# KiCad board shimarray.kicad_pcb (continued)
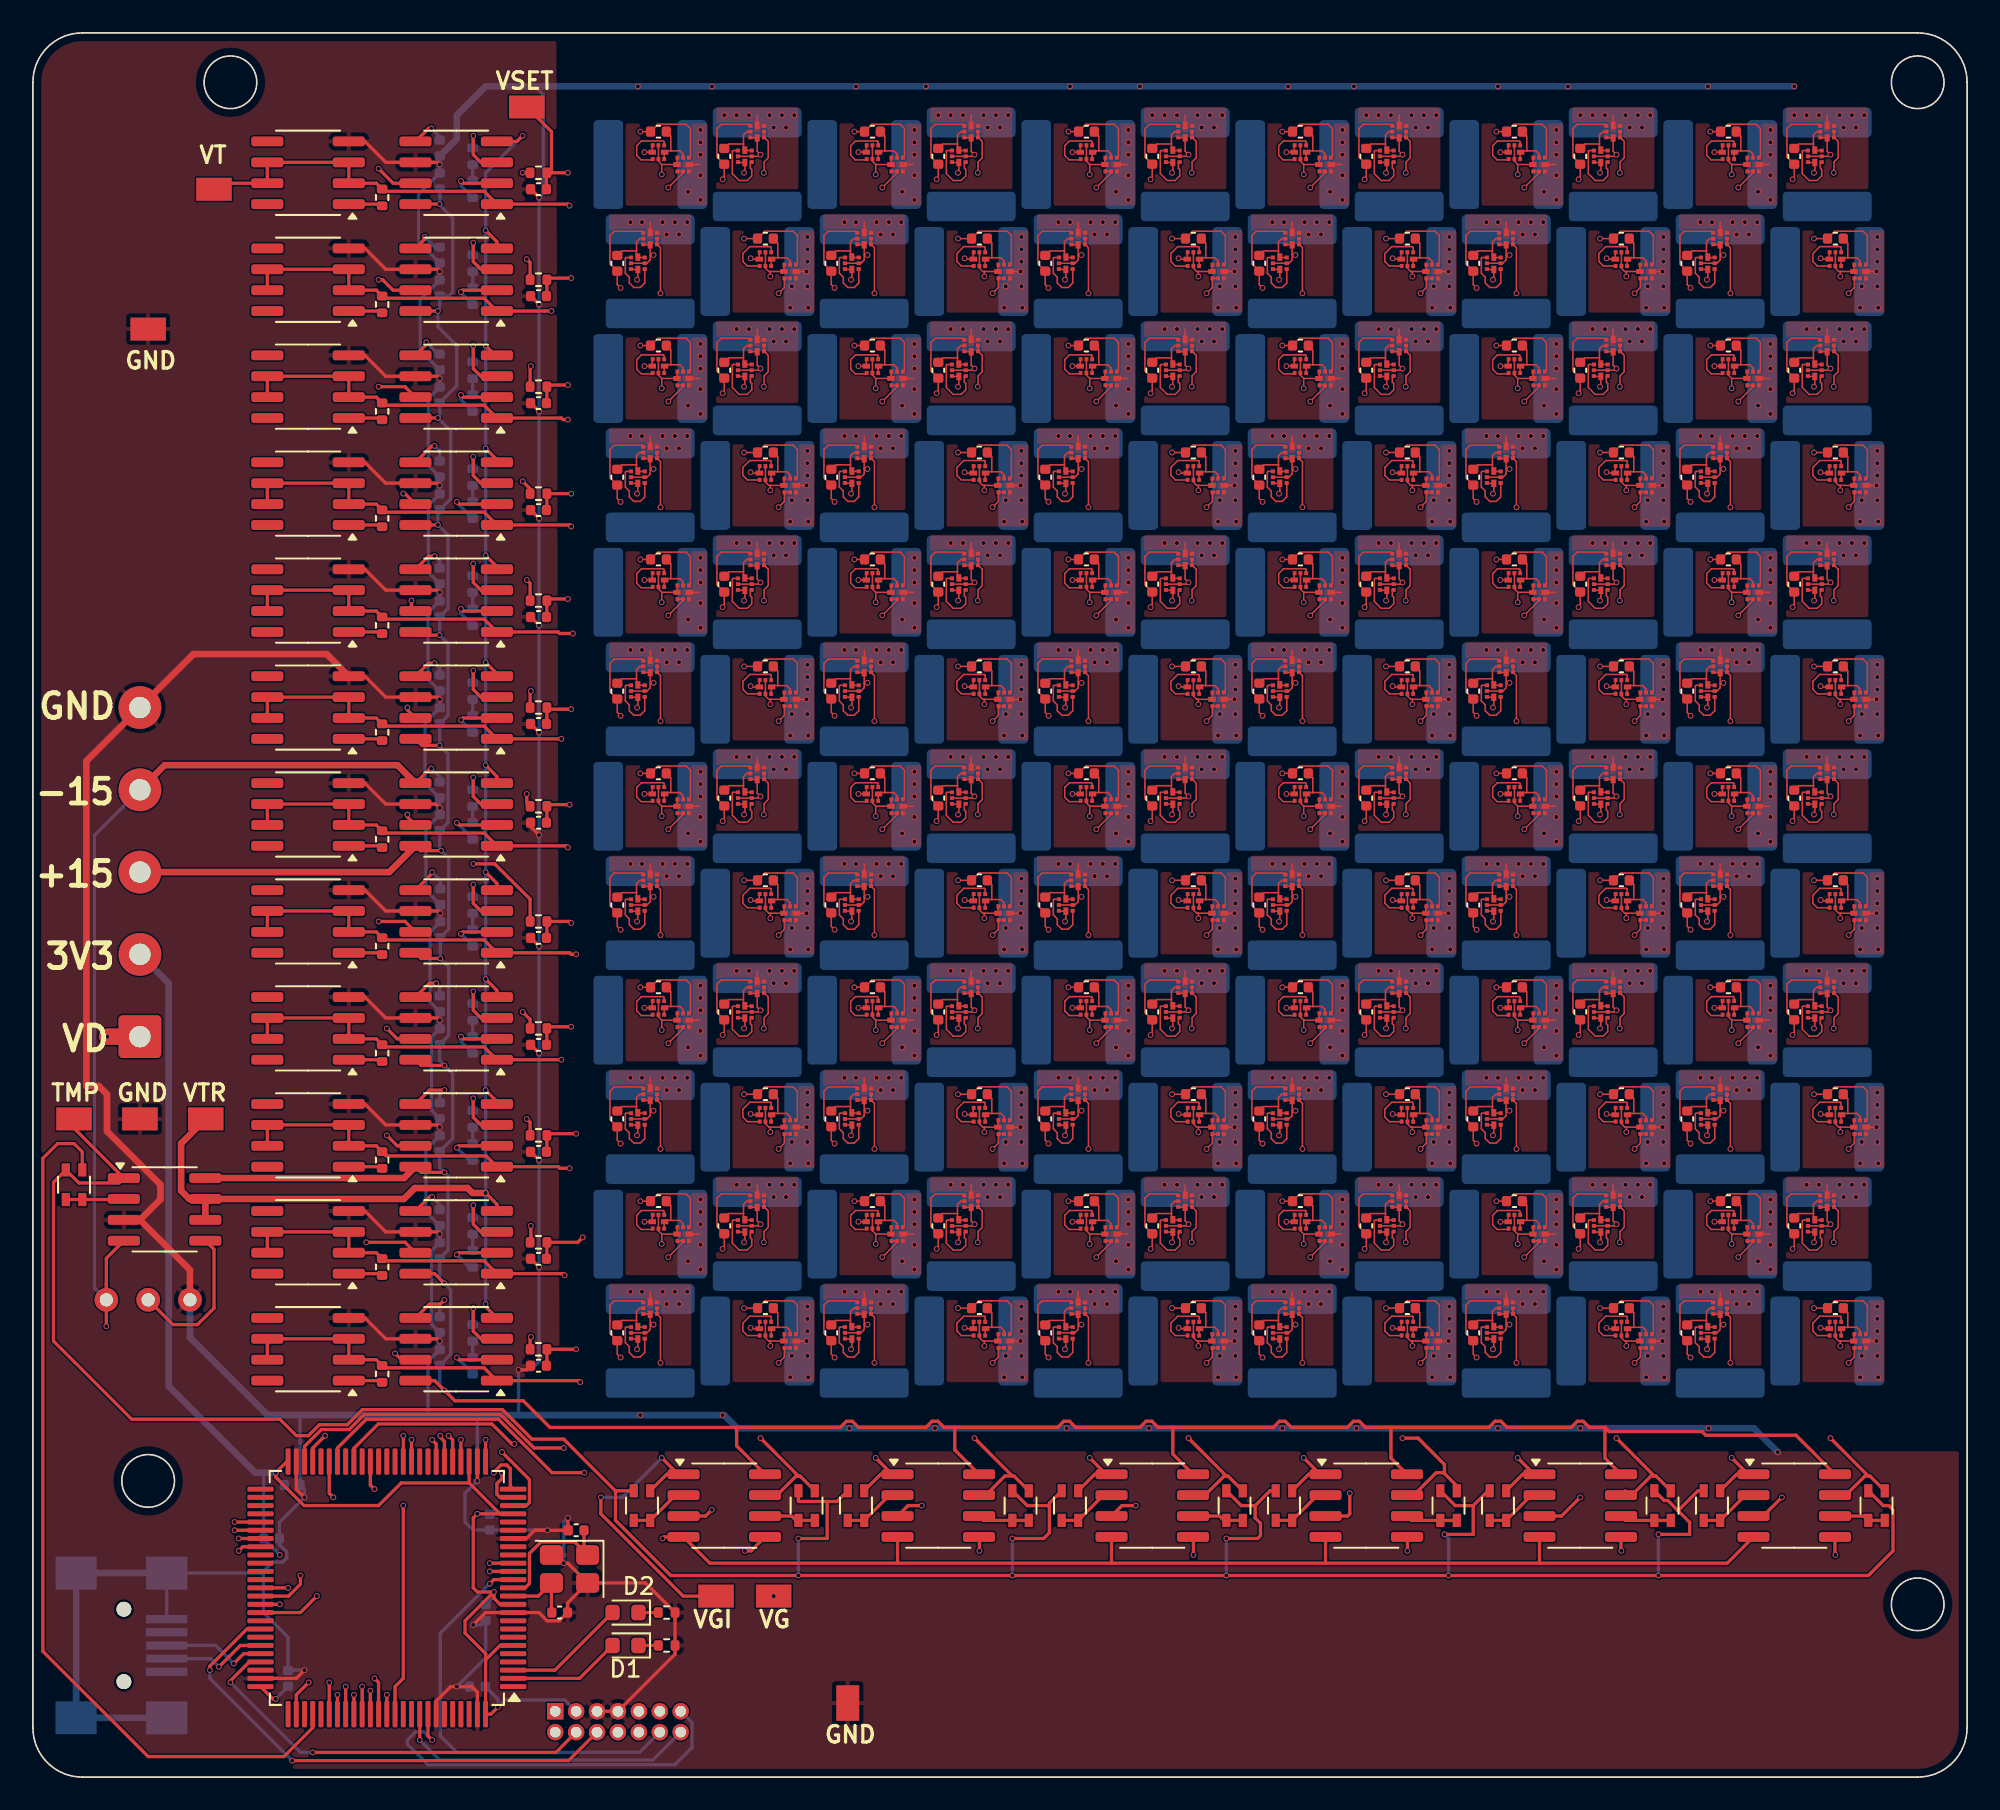
[diagram p0: board, top side]
## Footprints (pads in the part's own frame, mm; a bottom-side part is the same pattern mirrored in y, then rotated) (continued)
USB_Mini-B_Wuerth_65100516121_Horizontal
  round 0.9 hole 0.9 unplated: (-2.2,0) (2.2,0)
  rect 0.5x2.5 smd: 1(-1.6,2.6) 2(-0.8,2.6) 3(0,2.6) 4(0.8,2.6) 5(1.6,2.6)
  rect 2x2.5 smd: 6(-4.4,-2.9) 6(-4.4,2.6) 6(4.4,-2.9) 6(4.4,2.6)
X2-DFN1010-6
  rect 0.23x0.25 smd: 1(-0.35,-0.417) 2(0,-0.417) 3(0.35,0.417) 4(0,0.417) 5(0.35,-0.417) 7(-0.35,0.417)
  rect 0.45x0.3 smd: 6(0.375,0) 8(-0.375,0)

## Nets
+3.3V: C3.1 C4.1 C5.1 C6.1 C7.1 C8.1 J2.3 J4.2 U1.6 U1.11 U1.22 U1.28 U1.50 U1.75 U1.100
+15V: C46.1 C48.1 C50.1 C52.1 C54.1 C56.1 C58.1 C60.1 C62.1 C64.1 C158.1 C160.1 J4.3 U2.8 U3.8 U4.8 U5.8 U6.8 U7.8 U9.8 U11.8 U13.8 U15.8 U17.8 U19.8 U21.8 U23.8 U25.8 U27.8 U28.8 U30.8 U32.8
-15V: C45.1 C47.1 C49.1 C51.1 C53.1 C55.1 C57.1 C59.1 C61.1 C63.1 C157.1 C159.1 J4.4 RV1.3 U2.4 U3.4 U4.4 U5.4 U6.4 U7.4 U9.5 U11.5 U13.5 U15.5 U17.5 U19.5 U21.5 U23.5 U25.5 U27.5 U28.4 U30.5 U32.5
GND: C1.2 C2.2 C3.2 C4.2 C5.2 C6.2 C7.2 C8.2 C9.2 C10.2 C11.2 C12.2 C13.2 C14.2 C15.2 C16.2 C17.2 C18.2 C19.2 C20.2 C21.2 C22.2 C23.2 C24.2 C25.2 C26.2 C27.2 C28.2 C29.2 C30.2 C31.2 C32.2 C33.2 C34.2 C35.2 C36.2 C37.2 C38.2 C39.2 C40.2 C41.2 C42.2 C43.2 C44.2 C45.2 C46.2 C47.2 C48.2 C49.2 C50.2 C51.2 C52.2 C53.2 C54.2 C55.2 C56.2 C57.2 C58.2 C59.2 C60.2 C61.2 C62.2 C63.2 C64.2 C65.2 C66.2 C67.2 C68.2 C69.2 C70.2 C71.2 C72.2 C73.2 C74.2 C75.2 C76.2 C77.2 C78.2 C79.2 C80.2 C81.2 C82.2 C83.2 C84.2 C85.2 C86.2 C87.2 C88.2 C89.2 C90.2 C91.2 C92.2 C93.2 C94.2 C95.2 C96.2 C97.2 C98.2 C99.2 C100.2 C101.2 C102.2 C103.2 C104.2 C105.2 C106.2 C107.2 C108.2 C109.2 C110.2 C111.2 C112.2 C113.2 C114.2 C115.2 C116.2 C117.2 C118.2 C119.2 C120.2 C121.2 C122.2 C123.2 C124.2 C125.2 C126.2 C127.2 C128.2 C129.2 C130.2 C131.2 C132.2 C133.2 C134.2 C135.2 C136.2 C137.2 C138.2 C139.2 C140.2 C141.2 C142.2 C143.2 C144.2 C145.2 C146.2 C147.2 C148.2 C149.2 C150.2 C151.2 C152.2 C153.2 C154.2 C155.2 C156.2 C157.2 C158.2 C159.2 C160.2 C161.2 C162.2 C163.2 C164.2 C165.2 C166.2 C167.2 C168.2 C169.2 C170.2 C171.2 C172.2 C173.2 C174.2 C175.2 C176.2 C177.2 C178.2 C179.2 C180.2 C181.2 C182.2 C183.2 C184.2 C185.2 C186.2 C187.2 C188.2 J2.5 J2.7 J3.5 J3.6 J4.5 Q2.3 Q4.3 Q6.3 Q8.3 Q10.3 Q12.3 Q14.3 Q16.3 Q18.3 Q20.3 Q22.3 Q24.3 Q26.3 Q28.3 Q30.3 Q32.3 Q34.3 Q36.3 Q38.3 Q40.3 Q42.3 Q44.3 Q46.3 Q48.3 Q50.3 Q52.3 Q54.3 Q56.3 Q58.3 Q60.3 Q62.3 Q64.3 Q66.3 Q68.3 Q70.3 Q72.3 Q74.3 Q76.3 Q78.3 Q80.3 Q82.3 Q84.3 Q86.3 Q88.3 Q90.3 Q92.3 Q94.3 Q96.3 Q98.3 Q100.3 Q102.3 Q104.3 Q106.3 Q108.3 Q110.3 Q112.3 Q114.3 Q116.3 Q118.3 Q120.3 Q122.3 Q124.3 Q126.3 Q128.3 Q130.3 Q132.3 Q134.3 Q136.3 Q138.3 Q140.3 Q142.3 Q144.3 Q146.3 Q148.3 Q150.3 Q152.3 Q154.3 Q156.3 Q158.3 Q160.3 Q162.3 Q164.3 Q166.3 Q168.3 Q170.3 Q172.3 Q174.3 Q176.3 Q178.3 Q180.3 Q182.3 Q184.3 Q186.3 Q188.3 Q190.3 Q192.3 Q194.3 Q196.3 Q198.3 Q200.3 Q202.3 Q204.3 Q206.3 Q208.3 Q210.3 Q212.3 Q214.3 Q216.3 Q218.3 Q220.3 Q222.3 Q224.3 Q226.3 Q228.3 Q230.3 Q232.3 Q234.3 Q236.3 Q238.3 Q240.3 Q242.3 Q244.3 Q246.3 Q248.3 Q250.3 Q252.3 Q254.3 Q256.3 Q258.3 Q260.3 Q262.3 Q264.3 Q266.3 Q268.3 Q270.3 Q272.3 Q274.3 Q276.3 Q278.3 Q280.3 Q282.3 Q284.3 Q286.3 Q288.3 R1.2 R2.2 RV1.1 TP7.1 TP8.1 TP9.1 U1.10 U1.19 U1.27 U1.49 U1.74 U1.94 U1.99 U2.3 U8.4 U9.6 U10.4 U11.6 U12.4 U13.6 U14.4 U15.6 U16.4 U17.6 U18.4 U19.6 U20.4 U21.6 U22.4 U23.6 U24.4 U25.6 U26.4 U27.6 U29.4 U30.6 U31.4 U32.6 Y1.2 Y1.4
/Element_4x4/Vd4_1: C9.1 Q1.5 Q1.6 Q3.5 Q3.6 Q9.5 Q9.6 Q15.5 Q15.6 Q21.5 Q21.6 Q23.5 Q23.6 Q29.5 Q29.6 Q31.5 Q31.6 Q37.5 Q37.6 Q39.5 Q39.6 Q41.5 Q41.6 Q47.5 Q47.6 R4.2 TP3.1
/Element_4x4/Vd4_2: C10.1 Q5.5 Q5.6 Q7.5 Q7.6 Q11.5 Q11.6 Q13.5 Q13.6 Q17.5 Q17.6 Q19.5 Q19.6 Q25.5 Q25.6 Q27.5 Q27.6 Q33.5 Q33.6 Q35.5 Q35.6 Q43.5 Q43.6 Q45.5 Q45.6 R3.2
/Element_4x4/Vt4_1: Q2.1 Q2.2 Q4.1 Q4.2 Q10.1 Q10.2 Q16.1 Q16.2 Q22.1 Q22.2 Q24.1 Q24.2 Q30.1 Q30.2 Q32.1 Q32.2 Q38.1 Q38.2 Q40.1 Q40.2 Q42.1 Q42.2 Q48.1 Q48.2 R47.2 TP4.1 U29.2 U29.3 U29.6 U29.7 U30.1
/Element_4x4/Vt4_2: Q6.1 Q6.2 Q8.1 Q8.2 Q12.1 Q12.2 Q14.1 Q14.2 Q18.1 Q18.2 Q20.1 Q20.2 Q26.1 Q26.2 Q28.1 Q28.2 Q34.1 Q34.2 Q36.1 Q36.2 Q44.1 Q44.2 Q46.1 Q46.2 R50.2 U31.2 U31.3 U31.6 U31.7 U32.1
/Element_4x12/Vd4_1: C13.1 Q97.5 Q97.6 Q103.5 Q103.6 Q105.5 Q105.6 Q111.5 Q111.6 Q113.5 Q113.6 Q119.5 Q119.6 Q121.5 Q121.6 Q127.5 Q127.6 Q129.5 Q129.6 Q135.5 Q135.6 Q137.5 Q137.6 Q143.5 Q143.6 R8.2
/Element_4x12/Vd4_2: C14.1 Q99.5 Q99.6 Q101.5 Q101.6 Q107.5 Q107.6 Q109.5 Q109.6 Q115.5 Q115.6 Q117.5 Q117.6 Q123.5 Q123.6 Q125.5 Q125.6 Q131.5 Q131.6 Q133.5 Q133.6 Q139.5 Q139.6 Q141.5 Q141.6 R7.2
/Element_4x12/Vg4_1: Q1.2 Q1.4 Q2.7 Q2.8 Q5.2 Q5.4 Q6.7 Q6.8 Q53.2 Q53.4 Q54.7 Q54.8 Q55.2 Q55.4 Q56.7 Q56.8 Q101.2 Q101.4 Q102.7 Q102.8 Q103.2 Q103.4 Q104.7 Q104.8 Q149.2 Q149.4 Q150.7 Q150.8 Q151.2 Q151.4 Q152.7 Q152.8 Q197.2 Q197.4 Q198.7 Q198.8 Q199.2 Q199.4 Q200.7 Q200.8 Q245.2 Q245.4 Q246.7 Q246.8 Q247.2 Q247.4 Q248.7 Q248.8 RN12.1 TP2.1 U28.1
/Element_4x12/Vg4_2: Q3.2 Q3.4 Q4.7 Q4.8 Q7.2 Q7.4 Q8.7 Q8.8 Q49.2 Q49.4 Q50.7 Q50.8 Q51.2 Q51.4 Q52.7 Q52.8 Q97.2 Q97.4 Q98.7 Q98.8 Q99.2 Q99.4 Q100.7 Q100.8 Q145.2 Q145.4 Q146.7 Q146.8 Q147.2 Q147.4 Q148.7 Q148.8 Q193.2 Q193.4 Q194.7 Q194.8 Q195.2 Q195.4 Q196.7 Q196.8 Q241.2 Q241.4 Q242.7 Q242.8 Q243.2 Q243.4 Q244.7 Q244.8 RN13.1 U28.7
/Element_4x12/Vt4_1: Q98.1 Q98.2 Q104.1 Q104.2 Q106.1 Q106.2 Q112.1 Q112.2 Q114.1 Q114.2 Q120.1 Q120.2 Q122.1 Q122.2 Q128.1 Q128.2 Q130.1 Q130.2 Q136.1 Q136.2 Q138.1 Q138.2 Q144.1 Q144.2 R23.2 U12.2 U12.3 U12.6 U12.7 U13.1
/Element_4x12/Vt4_2: Q100.1 Q100.2 Q102.1 Q102.2 Q108.1 Q108.2 Q110.1 Q110.2 Q116.1 Q116.2 Q118.1 Q118.2 Q124.1 Q124.2 Q126.1 Q126.2 Q132.1 Q132.2 Q134.1 Q134.2 Q140.1 Q140.2 Q142.1 Q142.2 R26.2 U14.2 U14.3 U14.6 U14.7 U15.1
/Element_4x13/Vg4_1: Q13.2 Q13.4 Q14.7 Q14.8 Q39.2 Q39.4 Q40.7 Q40.8 Q61.2 Q61.4 Q62.7 Q62.8 Q63.2 Q63.4 Q64.7 Q64.8 Q109.2 Q109.4 Q110.7 Q110.8 Q111.2 Q111.4 Q112.7 Q112.8 Q157.2 Q157.4 Q158.7 Q158.8 Q159.2 Q159.4 Q160.7 Q160.8 Q205.2 Q205.4 Q206.7 Q206.8 Q207.2 Q207.4 Q208.7 Q208.8 Q253.2 Q253.4 Q254.7 Q254.8 Q255.2 Q255.4 Q256.7 Q256.8 RN2.1 U3.1
/Element_4x13/Vg4_2: Q9.2 Q9.4 Q10.7 Q10.8 Q11.2 Q11.4 Q12.7 Q12.8 Q57.2 Q57.4 Q58.7 Q58.8 Q59.2 Q59.4 Q60.7 Q60.8 Q105.2 Q105.4 Q106.7 Q106.8 Q107.2 Q107.4 Q108.7 Q108.8 Q153.2 Q153.4 Q154.7 Q154.8 Q155.2 Q155.4 Q156.7 Q156.8 Q201.2 Q201.4 Q202.7 Q202.8 Q203.2 Q203.4 Q204.7 Q204.8 Q249.2 Q249.4 Q250.7 Q250.8 Q251.2 Q251.4 Q252.7 Q252.8 RN3.1 U3.7
/Element_4x14/Vg4_1: Q19.2 Q19.4 Q20.7 Q20.8 Q21.2 Q21.4 Q22.7 Q22.8 Q69.2 Q69.4 Q70.7 Q70.8 Q71.2 Q71.4 Q72.7 Q72.8 Q117.2 Q117.4 Q118.7 Q118.8 Q119.2 Q119.4 Q120.7 Q120.8 Q165.2 Q165.4 Q166.7 Q166.8 Q167.2 Q167.4 Q168.7 Q168.8 Q213.2 Q213.4 Q214.7 Q214.8 Q215.2 Q215.4 Q216.7 Q216.8 Q261.2 Q261.4 Q262.7 Q262.8 Q263.2 Q263.4 Q264.7 Q264.8 RN4.1 U4.1
/Element_4x14/Vg4_2: Q15.2 Q15.4 Q16.7 Q16.8 Q17.2 Q17.4 Q18.7 Q18.8 Q65.2 Q65.4 Q66.7 Q66.8 Q67.2 Q67.4 Q68.7 Q68.8 Q113.2 Q113.4 Q114.7 Q114.8 Q115.2 Q115.4 Q116.7 Q116.8 Q161.2 Q161.4 Q162.7 Q162.8 Q163.2 Q163.4 Q164.7 Q164.8 Q209.2 Q209.4 Q210.7 Q210.8 Q211.2 Q211.4 Q212.7 Q212.8 Q257.2 Q257.4 Q258.7 Q258.8 Q259.2 Q259.4 Q260.7 Q260.8 RN5.1 U4.7
/Element_4x15/Vg4_1: Q27.2 Q27.4 Q28.7 Q28.8 Q29.2 Q29.4 Q30.7 Q30.8 Q77.2 Q77.4 Q78.7 Q78.8 Q79.2 Q79.4 Q80.7 Q80.8 Q125.2 Q125.4 Q126.7 Q126.8 Q127.2 Q127.4 Q128.7 Q128.8 Q173.2 Q173.4 Q174.7 Q174.8 Q175.2 Q175.4 Q176.7 Q176.8 Q221.2 Q221.4 Q222.7 Q222.8 Q223.2 Q223.4 Q224.7 Q224.8 Q269.2 Q269.4 Q270.7 Q270.8 Q271.2 Q271.4 Q272.7 Q272.8 RN6.1 U5.1
/Element_4x15/Vg4_2: Q23.2 Q23.4 Q24.7 Q24.8 Q25.2 Q25.4 Q26.7 Q26.8 Q73.2 Q73.4 Q74.7 Q74.8 Q75.2 Q75.4 Q76.7 Q76.8 Q121.2 Q121.4 Q122.7 Q122.8 Q123.2 Q123.4 Q124.7 Q124.8 Q169.2 Q169.4 Q170.7 Q170.8 Q171.2 Q171.4 Q172.7 Q172.8 Q217.2 Q217.4 Q218.7 Q218.8 Q219.2 Q219.4 Q220.7 Q220.8 Q265.2 Q265.4 Q266.7 Q266.8 Q267.2 Q267.4 Q268.7 Q268.8 RN7.1 U5.7
/Element_4x16/Vg4_1: Q35.2 Q35.4 Q36.7 Q36.8 Q37.2 Q37.4 Q38.7 Q38.8 Q85.2 Q85.4 Q86.7 Q86.8 Q87.2 Q87.4 Q88.7 Q88.8 Q133.2 Q133.4 Q134.7 Q134.8 Q135.2 Q135.4 Q136.7 Q136.8 Q181.2 Q181.4 Q182.7 Q182.8 Q183.2 Q183.4 Q184.7 Q184.8 Q229.2 Q229.4 Q230.7 Q230.8 Q231.2 Q231.4 Q232.7 Q232.8 Q277.2 Q277.4 Q278.7 Q278.8 Q279.2 Q279.4 Q280.7 Q280.8 RN8.1 U6.1
/Element_4x16/Vg4_2: Q31.2 Q31.4 Q32.7 Q32.8 Q33.2 Q33.4 Q34.7 Q34.8 Q81.2 Q81.4 Q82.7 Q82.8 Q83.2 Q83.4 Q84.7 Q84.8 Q129.2 Q129.4 Q130.7 Q130.8 Q131.2 Q131.4 Q132.7 Q132.8 Q177.2 Q177.4 Q178.7 Q178.8 Q179.2 Q179.4 Q180.7 Q180.8 Q225.2 Q225.4 Q226.7 Q226.8 Q227.2 Q227.4 Q228.7 Q228.8 Q273.2 Q273.4 Q274.7 Q274.8 Q275.2 Q275.4 Q276.7 Q276.8 RN9.1 U6.7
/Element_4x17/Vg4_1: Q45.2 Q45.4 Q46.7 Q46.8 Q47.2 Q47.4 Q48.7 Q48.8 Q93.2 Q93.4 Q94.7 Q94.8 Q95.2 Q95.4 Q96.7 Q96.8 Q141.2 Q141.4 Q142.7 Q142.8 Q143.2 Q143.4 Q144.7 Q144.8 Q189.2 Q189.4 Q190.7 Q190.8 Q191.2 Q191.4 Q192.7 Q192.8 Q237.2 Q237.4 Q238.7 Q238.8 Q239.2 Q239.4 Q240.7 Q240.8 Q285.2 Q285.4 Q286.7 Q286.8 Q287.2 Q287.4 Q288.7 Q288.8 RN10.1 U7.1
/Element_4x17/Vg4_2: Q41.2 Q41.4 Q42.7 Q42.8 Q43.2 Q43.4 Q44.7 Q44.8 Q89.2 Q89.4 Q90.7 Q90.8 Q91.2 Q91.4 Q92.7 Q92.8 Q137.2 Q137.4 Q138.7 Q138.8 Q139.2 Q139.4 Q140.7 Q140.8 Q185.2 Q185.4 Q186.7 Q186.8 Q187.2 Q187.4 Q188.7 Q188.8 Q233.2 Q233.4 Q234.7 Q234.8 Q235.2 Q235.4 Q236.7 Q236.8 Q281.2 Q281.4 Q282.7 Q282.8 Q283.2 Q283.4 Q284.7 Q284.8 RN11.1 U7.7
/Element_4x20/Vd4_1: C11.1 Q49.5 Q49.6 Q55.5 Q55.6 Q57.5 Q57.6 Q63.5 Q63.6 Q65.5 Q65.6 Q71.5 Q71.6 Q73.5 Q73.6 Q79.5 Q79.6 Q81.5 Q81.6 Q87.5 Q87.6 Q89.5 Q89.6 Q95.5 Q95.6 R6.2
/Element_4x20/Vd4_2: C12.1 Q51.5 Q51.6 Q53.5 Q53.6 Q59.5 Q59.6 Q61.5 Q61.6 Q67.5 Q67.6 Q69.5 Q69.6 Q75.5 Q75.6 Q77.5 Q77.6 Q83.5 Q83.6 Q85.5 Q85.6 Q91.5 Q91.6 Q93.5 Q93.6 R5.2
/Element_4x20/Vt4_1: Q50.1 Q50.2 Q56.1 Q56.2 Q58.1 Q58.2 Q64.1 Q64.2 Q66.1 Q66.2 Q72.1 Q72.2 Q74.1 Q74.2 Q80.1 Q80.2 Q82.1 Q82.2 Q88.1 Q88.2 Q90.1 Q90.2 Q96.1 Q96.2 R17.2 U8.2 U8.3 U8.6 U8.7 U9.1
/Element_4x20/Vt4_2: Q52.1 Q52.2 Q54.1 Q54.2 Q60.1 Q60.2 Q62.1 Q62.2 Q68.1 Q68.2 Q70.1 Q70.2 Q76.1 Q76.2 Q78.1 Q78.2 Q84.1 Q84.2 Q86.1 Q86.2 Q92.1 Q92.2 Q94.1 Q94.2 R20.2 U10.2 U10.3 U10.6 U10.7 U11.1
/Element_4x28/Vd4_1: C15.1 Q145.5 Q145.6 Q151.5 Q151.6 Q153.5 Q153.6 Q159.5 Q159.6 Q161.5 Q161.6 Q167.5 Q167.6 Q169.5 Q169.6 Q175.5 Q175.6 Q177.5 Q177.6 Q183.5 Q183.6 Q185.5 Q185.6 Q191.5 Q191.6 R10.2
/Element_4x28/Vd4_2: C16.1 Q147.5 Q147.6 Q149.5 Q149.6 Q155.5 Q155.6 Q157.5 Q157.6 Q163.5 Q163.6 Q165.5 Q165.6 Q171.5 Q171.6 Q173.5 Q173.6 Q179.5 Q179.6 Q181.5 Q181.6 Q187.5 Q187.6 Q189.5 Q189.6 R9.2
/Element_4x28/Vt4_1: Q146.1 Q146.2 Q152.1 Q152.2 Q154.1 Q154.2 Q160.1 Q160.2 Q162.1 Q162.2 Q168.1 Q168.2 Q170.1 Q170.2 Q176.1 Q176.2 Q178.1 Q178.2 Q184.1 Q184.2 Q186.1 Q186.2 Q192.1 Q192.2 R29.2 U16.2 U16.3 U16.6 U16.7 U17.1
/Element_4x28/Vt4_2: Q148.1 Q148.2 Q150.1 Q150.2 Q156.1 Q156.2 Q158.1 Q158.2 Q164.1 Q164.2 Q166.1 Q166.2 Q172.1 Q172.2 Q174.1 Q174.2 Q180.1 Q180.2 Q182.1 Q182.2 Q188.1 Q188.2 Q190.1 Q190.2 R32.2 U18.2 U18.3 U18.6 U18.7 U19.1
/Element_4x36/Vd4_1: C17.1 Q193.5 Q193.6 Q199.5 Q199.6 Q201.5 Q201.6 Q207.5 Q207.6 Q209.5 Q209.6 Q215.5 Q215.6 Q217.5 Q217.6 Q223.5 Q223.6 Q225.5 Q225.6 Q231.5 Q231.6 Q233.5 Q233.6 Q239.5 Q239.6 R12.2
/Element_4x36/Vd4_2: C18.1 Q195.5 Q195.6 Q197.5 Q197.6 Q203.5 Q203.6 Q205.5 Q205.6 Q211.5 Q211.6 Q213.5 Q213.6 Q219.5 Q219.6 Q221.5 Q221.6 Q227.5 Q227.6 Q229.5 Q229.6 Q235.5 Q235.6 Q237.5 Q237.6 R11.2
/Element_4x36/Vt4_1: Q194.1 Q194.2 Q200.1 Q200.2 Q202.1 Q202.2 Q208.1 Q208.2 Q210.1 Q210.2 Q216.1 Q216.2 Q218.1 Q218.2 Q224.1 Q224.2 Q226.1 Q226.2 Q232.1 Q232.2 Q234.1 Q234.2 Q240.1 Q240.2 R35.2 U20.2 U20.3 U20.6 U20.7 U21.1
/Element_4x36/Vt4_2: Q196.1 Q196.2 Q198.1 Q198.2 Q204.1 Q204.2 Q206.1 Q206.2 Q212.1 Q212.2 Q214.1 Q214.2 Q220.1 Q220.2 Q222.1 Q222.2 Q228.1 Q228.2 Q230.1 Q230.2 Q236.1 Q236.2 Q238.1 Q238.2 R38.2 U22.2 U22.3 U22.6 U22.7 U23.1
/Element_4x44/Vd4_1: C19.1 Q241.5 Q241.6 Q247.5 Q247.6 Q249.5 Q249.6 Q255.5 Q255.6 Q257.5 Q257.6 Q263.5 Q263.6 Q265.5 Q265.6 Q271.5 Q271.6 Q273.5 Q273.6 Q279.5 Q279.6 Q281.5 Q281.6 Q287.5 Q287.6 R14.2
/Element_4x44/Vd4_2: C20.1 Q243.5 Q243.6 Q245.5 Q245.6 Q251.5 Q251.6 Q253.5 Q253.6 Q259.5 Q259.6 Q261.5 Q261.6 Q267.5 Q267.6 Q269.5 Q269.6 Q275.5 Q275.6 Q277.5 Q277.6 Q283.5 Q283.6 Q285.5 Q285.6 R13.2
/Element_4x44/Vt4_1: Q242.1 Q242.2 Q248.1 Q248.2 Q250.1 Q250.2 Q256.1 Q256.2 Q258.1 Q258.2 Q264.1 Q264.2 Q266.1 Q266.2 Q272.1 Q272.2 Q274.1 Q274.2 Q280.1 Q280.2 Q282.1 Q282.2 Q288.1 Q288.2 R41.2 U24.2 U24.3 U24.6 U24.7 U25.1
/Element_4x44/Vt4_2: Q244.1 Q244.2 Q246.1 Q246.2 Q252.1 Q252.2 Q254.1 Q254.2 Q260.1 Q260.2 Q262.1 Q262.2 Q268.1 Q268.2 Q270.1 Q270.2 Q276.1 Q276.2 Q278.1 Q278.2 Q284.1 Q284.2 Q286.1 Q286.2 R44.2 U26.2 U26.3 U26.6 U26.7 U27.1
/Gate driver/TMP: RN1.4 RN2.2 RN3.2 RN4.2 RN5.2 RN6.2 RN7.2 RN8.2 RN9.2 RN10.2 RN11.2 RN12.2 RN13.2 TP5.1 U2.1
/RX: J2.13 U1.93
/SWCLK: J2.6 U1.68
/SWDIO: J2.4 U1.72
/TMP1: U1.23 U30.7
/TMP2: U1.24 U32.7
/TMP3: U1.25 U9.7
/TMP4: U1.26 U11.7
/TMP5: U1.29 U13.7
/TMP6: U1.30 U15.7
/TMP7: U1.31 U17.7
/TMP8: U1.32 U19.7
/TMP9: U1.35 U21.7
/TMP10: U1.36 U23.7
/TMP11: U1.15 U25.7
/TMP12: U1.16 U27.7
/TMP_SEL: RN1.3 U1.79
/TX: J2.14 U1.92
/VD1: R3.1 U1.40
/VD2: R4.1 U1.42
/VD3: R5.1 U1.44
/VD4: R6.1 U1.45
/VD5: R7.1 U1.77
/VD6: R8.1 U1.89
/VD7: R9.1 U1.47
/VD8: R10.1 U1.48
/VD9: R11.1 U1.63
/VD10: R12.1 U1.64
/VD11: R13.1 U1.65
/VD12: R14.1 U1.66
/VG1: TP1.1 U1.81 U28.3
/VG2: U1.82 U28.5
/VG3: U1.83 U3.3
/VG4: U1.84 U3.5
/VG5: U1.85 U4.3
/VG6: U1.86 U4.5
/VG7: U1.87 U5.3
/VG8: U1.88 U5.5
/VG9: U1.55 U6.3
/VG10: U1.56 U6.5
/VG11: U1.57 U7.3
/VG12: U1.58 U7.5
/VT_REF: TP6.1 U2.6 U2.7 U9.4 U11.4 U13.4 U15.4 U17.4 U19.4 U21.4 U23.4 U25.4 U27.4 U30.4 U32.4
/~{RST}: J2.12 U1.14
VD: FB1.1 FB2.1 FB3.1 FB4.1 FB5.1 FB6.1 FB7.1 FB8.1 FB9.1 FB10.1 FB11.1 FB12.1 FB13.1 FB14.1 FB15.1 FB16.1 FB17.1 FB18.1 FB19.1 FB20.1 FB21.1 FB22.1 FB23.1 FB24.1 FB25.1 FB26.1 FB27.1 FB28.1 FB29.1 FB30.1 FB31.1 FB32.1 FB33.1 FB34.1 FB35.1 FB36.1 FB37.1 FB38.1 FB39.1 FB40.1 FB41.1 FB42.1 FB43.1 FB44.1 FB45.1 FB46.1 FB47.1 FB48.1 FB49.1 FB50.1 FB51.1 FB52.1 FB53.1 FB54.1 FB55.1 FB56.1 FB57.1 FB58.1 FB59.1 FB60.1 FB61.1 FB62.1 FB63.1 FB64.1 FB65.1 FB66.1 FB67.1 FB68.1 FB69.1 FB70.1 FB71.1 FB72.1 FB73.1 FB74.1 FB75.1 FB76.1 FB77.1 FB78.1 FB79.1 FB80.1 FB81.1 FB82.1 FB83.1 FB84.1 FB85.1 FB86.1 FB87.1 FB88.1 FB89.1 FB90.1 FB91.1 FB92.1 FB93.1 FB94.1 FB95.1 FB96.1 FB97.1 FB98.1 FB99.1 FB100.1 FB101.1 FB102.1 FB103.1 FB104.1 FB105.1 FB106.1 FB107.1 FB108.1 FB109.1 FB110.1 FB111.1 FB112.1 FB113.1 FB114.1 FB115.1 FB116.1 FB117.1 FB118.1 FB119.1 FB120.1 FB121.1 FB122.1 FB123.1 FB124.1 FB125.1 FB126.1 FB127.1 FB128.1 FB129.1 FB130.1 FB131.1 FB132.1 FB133.1 FB134.1 FB135.1 FB136.1 FB137.1 FB138.1 FB139.1 FB140.1 FB141.1 FB142.1 FB143.1 FB144.1 J4.1 Q2.5 Q2.6 Q4.5 Q4.6 Q6.5 Q6.6 Q8.5 Q8.6 Q10.5 Q10.6 Q12.5 Q12.6 Q14.5 Q14.6 Q16.5 Q16.6 Q18.5 Q18.6 Q20.5 Q20.6 Q22.5 Q22.6 Q24.5 Q24.6 Q26.5 Q26.6 Q28.5 Q28.6 Q30.5 Q30.6 Q32.5 Q32.6 Q34.5 Q34.6 Q36.5 Q36.6 Q38.5 Q38.6 Q40.5 Q40.6 Q42.5 Q42.6 Q44.5 Q44.6 Q46.5 Q46.6 Q48.5 Q48.6 Q50.5 Q50.6 Q52.5 Q52.6 Q54.5 Q54.6 Q56.5 Q56.6 Q58.5 Q58.6 Q60.5 Q60.6 Q62.5 Q62.6 Q64.5 Q64.6 Q66.5 Q66.6 Q68.5 Q68.6 Q70.5 Q70.6 Q72.5 Q72.6 Q74.5 Q74.6 Q76.5 Q76.6 Q78.5 Q78.6 Q80.5 Q80.6 Q82.5 Q82.6 Q84.5 Q84.6 Q86.5 Q86.6 Q88.5 Q88.6 Q90.5 Q90.6 Q92.5 Q92.6 Q94.5 Q94.6 Q96.5 Q96.6 Q98.5 Q98.6 Q100.5 Q100.6 Q102.5 Q102.6 Q104.5 Q104.6 Q106.5 Q106.6 Q108.5 Q108.6 Q110.5 Q110.6 Q112.5 Q112.6 Q114.5 Q114.6 Q116.5 Q116.6 Q118.5 Q118.6 Q120.5 Q120.6 Q122.5 Q122.6 Q124.5 Q124.6 Q126.5 Q126.6 Q128.5 Q128.6 Q130.5 Q130.6 Q132.5 Q132.6 Q134.5 Q134.6 Q136.5 Q136.6 Q138.5 Q138.6 Q140.5 Q140.6 Q142.5 Q142.6 Q144.5 Q144.6 Q146.5 Q146.6 Q148.5 Q148.6 Q150.5 Q150.6 Q152.5 Q152.6 Q154.5 Q154.6 Q156.5 Q156.6 Q158.5 Q158.6 Q160.5 Q160.6 Q162.5 Q162.6 Q164.5 Q164.6 Q166.5 Q166.6 Q168.5 Q168.6 Q170.5 Q170.6 Q172.5 Q172.6 Q174.5 Q174.6 Q176.5 Q176.6 Q178.5 Q178.6 Q180.5 Q180.6 Q182.5 Q182.6 Q184.5 Q184.6 Q186.5 Q186.6 Q188.5 Q188.6 Q190.5 Q190.6 Q192.5 Q192.6 Q194.5 Q194.6 Q196.5 Q196.6 Q198.5 Q198.6 Q200.5 Q200.6 Q202.5 Q202.6 Q204.5 Q204.6 Q206.5 Q206.6 Q208.5 Q208.6 Q210.5 Q210.6 Q212.5 Q212.6 Q214.5 Q214.6 Q216.5 Q216.6 Q218.5 Q218.6 Q220.5 Q220.6 Q222.5 Q222.6 Q224.5 Q224.6 Q226.5 Q226.6 Q228.5 Q228.6 Q230.5 Q230.6 Q232.5 Q232.6 Q234.5 Q234.6 Q236.5 Q236.6 Q238.5 Q238.6 Q240.5 Q240.6 Q242.5 Q242.6 Q244.5 Q244.6 Q246.5 Q246.6 Q248.5 Q248.6 Q250.5 Q250.6 Q252.5 Q252.6 Q254.5 Q254.6 Q256.5 Q256.6 Q258.5 Q258.6 Q260.5 Q260.6 Q262.5 Q262.6 Q264.5 Q264.6 Q266.5 Q266.6 Q268.5 Q268.6 Q270.5 Q270.6 Q272.5 Q272.6 Q274.5 Q274.6 Q276.5 Q276.6 Q278.5 Q278.6 Q280.5 Q280.6 Q282.5 Q282.6 Q284.5 Q284.6 Q286.5 Q286.6 Q288.5 Q288.6
Net-(D1-A): D1.2 U1.2
Net-(D1-K): D1.1 R1.1
Net-(D2-A): D2.2 U1.3
Net-(D2-K): D2.1 R2.1
Net-(J3-D+): J3.3 U1.71
Net-(J3-D-): J3.2 U1.70
Net-(Q1A-S): Q1.1 Q1.3
Net-(Q2B-G): C21.1 Q1.7 Q1.8 Q2.4
Net-(Q3A-S): Q3.1 Q3.3
Net-(Q4B-G): C22.1 Q3.7 Q3.8 Q4.4
Net-(Q5A-S): Q5.1 Q5.3
Net-(Q6B-G): C23.1 Q5.7 Q5.8 Q6.4
Net-(Q7A-S): Q7.1 Q7.3
Net-(Q8B-G): C24.1 Q7.7 Q7.8 Q8.4
Net-(Q9A-S): Q9.1 Q9.3
Net-(Q10B-G): C25.1 Q9.7 Q9.8 Q10.4
Net-(Q11A-S): Q11.1 Q11.3
Net-(Q12B-G): C26.1 Q11.7 Q11.8 Q12.4
Net-(Q13A-S): Q13.1 Q13.3
Net-(Q14B-G): C27.1 Q13.7 Q13.8 Q14.4
Net-(Q15A-S): Q15.1 Q15.3
Net-(Q16B-G): C28.1 Q15.7 Q15.8 Q16.4
Net-(Q17A-S): Q17.1 Q17.3
Net-(Q18B-G): C29.1 Q17.7 Q17.8 Q18.4
Net-(Q19A-S): Q19.1 Q19.3
Net-(Q20B-G): C30.1 Q19.7 Q19.8 Q20.4
Net-(Q21A-S): Q21.1 Q21.3
Net-(Q22B-G): C31.1 Q21.7 Q21.8 Q22.4
Net-(Q23A-S): Q23.1 Q23.3
Net-(Q24B-G): C32.1 Q23.7 Q23.8 Q24.4
Net-(Q25A-S): Q25.1 Q25.3
Net-(Q26B-G): C33.1 Q25.7 Q25.8 Q26.4
Net-(Q27A-S): Q27.1 Q27.3
Net-(Q28B-G): C34.1 Q27.7 Q27.8 Q28.4
Net-(Q29A-S): Q29.1 Q29.3
Net-(Q30B-G): C35.1 Q29.7 Q29.8 Q30.4
Net-(Q31A-S): Q31.1 Q31.3
Net-(Q32B-G): C36.1 Q31.7 Q31.8 Q32.4
Net-(Q33A-S): Q33.1 Q33.3
Net-(Q34B-G): C37.1 Q33.7 Q33.8 Q34.4
Net-(Q35A-S): Q35.1 Q35.3
Net-(Q36B-G): C38.1 Q35.7 Q35.8 Q36.4
Net-(Q37A-S): Q37.1 Q37.3
Net-(Q38B-G): C39.1 Q37.7 Q37.8 Q38.4
Net-(Q39A-S): Q39.1 Q39.3
Net-(Q40B-G): C40.1 Q39.7 Q39.8 Q40.4
Net-(Q41A-S): Q41.1 Q41.3
Net-(Q42B-G): C41.1 Q41.7 Q41.8 Q42.4
Net-(Q43A-S): Q43.1 Q43.3
Net-(Q44B-G): C42.1 Q43.7 Q43.8 Q44.4
Net-(Q45A-S): Q45.1 Q45.3
Net-(Q46B-G): C43.1 Q45.7 Q45.8 Q46.4
Net-(Q47A-S): Q47.1 Q47.3
Net-(Q48B-G): C44.1 Q47.7 Q47.8 Q48.4
Net-(Q49A-S): Q49.1 Q49.3
Net-(Q50B-G): C65.1 Q49.7 Q49.8 Q50.4
Net-(Q51A-S): Q51.1 Q51.3
Net-(Q52B-G): C66.1 Q51.7 Q51.8 Q52.4
Net-(Q53A-S): Q53.1 Q53.3
Net-(Q54B-G): C67.1 Q53.7 Q53.8 Q54.4
Net-(Q55A-S): Q55.1 Q55.3
Net-(Q56B-G): C68.1 Q55.7 Q55.8 Q56.4
Net-(Q57A-S): Q57.1 Q57.3
Net-(Q58B-G): C69.1 Q57.7 Q57.8 Q58.4
Net-(Q59A-S): Q59.1 Q59.3
Net-(Q60B-G): C70.1 Q59.7 Q59.8 Q60.4
Net-(Q61A-S): Q61.1 Q61.3
Net-(Q62B-G): C71.1 Q61.7 Q61.8 Q62.4
Net-(Q63A-S): Q63.1 Q63.3
Net-(Q64B-G): C72.1 Q63.7 Q63.8 Q64.4
Net-(Q65A-S): Q65.1 Q65.3
Net-(Q66B-G): C73.1 Q65.7 Q65.8 Q66.4
Net-(Q67A-S): Q67.1 Q67.3
Net-(Q68B-G): C74.1 Q67.7 Q67.8 Q68.4
Net-(Q69A-S): Q69.1 Q69.3
Net-(Q70B-G): C75.1 Q69.7 Q69.8 Q70.4
Net-(Q71A-S): Q71.1 Q71.3
Net-(Q72B-G): C76.1 Q71.7 Q71.8 Q72.4
Net-(Q73A-S): Q73.1 Q73.3
Net-(Q74B-G): C77.1 Q73.7 Q73.8 Q74.4
Net-(Q75A-S): Q75.1 Q75.3
Net-(Q76B-G): C78.1 Q75.7 Q75.8 Q76.4
Net-(Q77A-S): Q77.1 Q77.3
Net-(Q78B-G): C79.1 Q77.7 Q77.8 Q78.4
Net-(Q79A-S): Q79.1 Q79.3
Net-(Q80B-G): C80.1 Q79.7 Q79.8 Q80.4
Net-(Q81A-S): Q81.1 Q81.3
Net-(Q82B-G): C81.1 Q81.7 Q81.8 Q82.4
Net-(Q83A-S): Q83.1 Q83.3
Net-(Q84B-G): C82.1 Q83.7 Q83.8 Q84.4
Net-(Q85A-S): Q85.1 Q85.3
Net-(Q86B-G): C83.1 Q85.7 Q85.8 Q86.4
Net-(Q87A-S): Q87.1 Q87.3
Net-(Q88B-G): C84.1 Q87.7 Q87.8 Q88.4
Net-(Q89A-S): Q89.1 Q89.3
Net-(Q90B-G): C85.1 Q89.7 Q89.8 Q90.4
Net-(Q91A-S): Q91.1 Q91.3
Net-(Q92B-G): C86.1 Q91.7 Q91.8 Q92.4
Net-(Q93A-S): Q93.1 Q93.3
Net-(Q94B-G): C87.1 Q93.7 Q93.8 Q94.4
Net-(Q95A-S): Q95.1 Q95.3
Net-(Q96B-G): C88.1 Q95.7 Q95.8 Q96.4
Net-(Q97A-S): Q97.1 Q97.3
Net-(Q98B-G): C89.1 Q97.7 Q97.8 Q98.4
Net-(Q99A-S): Q99.1 Q99.3
Net-(Q100B-G): C90.1 Q99.7 Q99.8 Q100.4
Net-(Q101A-S): Q101.1 Q101.3
Net-(Q102B-G): C91.1 Q101.7 Q101.8 Q102.4
Net-(Q103A-S): Q103.1 Q103.3
Net-(Q104B-G): C92.1 Q103.7 Q103.8 Q104.4
Net-(Q105A-S): Q105.1 Q105.3
Net-(Q106B-G): C93.1 Q105.7 Q105.8 Q106.4
Net-(Q107A-S): Q107.1 Q107.3
Net-(Q108B-G): C94.1 Q107.7 Q107.8 Q108.4
Net-(Q109A-S): Q109.1 Q109.3
Net-(Q110B-G): C95.1 Q109.7 Q109.8 Q110.4
Net-(Q111A-S): Q111.1 Q111.3
Net-(Q112B-G): C96.1 Q111.7 Q111.8 Q112.4
Net-(Q113A-S): Q113.1 Q113.3
Net-(Q114B-G): C97.1 Q113.7 Q113.8 Q114.4
Net-(Q115A-S): Q115.1 Q115.3
Net-(Q116B-G): C98.1 Q115.7 Q115.8 Q116.4
Net-(Q117A-S): Q117.1 Q117.3
Net-(Q118B-G): C99.1 Q117.7 Q117.8 Q118.4
Net-(Q119A-S): Q119.1 Q119.3
Net-(Q120B-G): C100.1 Q119.7 Q119.8 Q120.4
Net-(Q121A-S): Q121.1 Q121.3
Net-(Q122B-G): C101.1 Q121.7 Q121.8 Q122.4
Net-(Q123A-S): Q123.1 Q123.3
Net-(Q124B-G): C102.1 Q123.7 Q123.8 Q124.4
Net-(Q125A-S): Q125.1 Q125.3
Net-(Q126B-G): C103.1 Q125.7 Q125.8 Q126.4
Net-(Q127A-S): Q127.1 Q127.3
Net-(Q128B-G): C104.1 Q127.7 Q127.8 Q128.4
Net-(Q129A-S): Q129.1 Q129.3
Net-(Q130B-G): C105.1 Q129.7 Q129.8 Q130.4
Net-(Q131A-S): Q131.1 Q131.3
Net-(Q132B-G): C106.1 Q131.7 Q131.8 Q132.4
Net-(Q133A-S): Q133.1 Q133.3
Net-(Q134B-G): C107.1 Q133.7 Q133.8 Q134.4
Net-(Q135A-S): Q135.1 Q135.3
Net-(Q136B-G): C108.1 Q135.7 Q135.8 Q136.4
Net-(Q137A-S): Q137.1 Q137.3
Net-(Q138B-G): C109.1 Q137.7 Q137.8 Q138.4
Net-(Q139A-S): Q139.1 Q139.3
Net-(Q140B-G): C110.1 Q139.7 Q139.8 Q140.4
Net-(Q141A-S): Q141.1 Q141.3
Net-(Q142B-G): C111.1 Q141.7 Q141.8 Q142.4
Net-(Q143A-S): Q143.1 Q143.3
Net-(Q144B-G): C112.1 Q143.7 Q143.8 Q144.4
Net-(Q145A-S): Q145.1 Q145.3
Net-(Q146B-G): C113.1 Q145.7 Q145.8 Q146.4
Net-(Q147A-S): Q147.1 Q147.3
Net-(Q148B-G): C114.1 Q147.7 Q147.8 Q148.4
Net-(Q149A-S): Q149.1 Q149.3
Net-(Q150B-G): C115.1 Q149.7 Q149.8 Q150.4
Net-(Q151A-S): Q151.1 Q151.3
Net-(Q152B-G): C116.1 Q151.7 Q151.8 Q152.4
Net-(Q153A-S): Q153.1 Q153.3
Net-(Q154B-G): C117.1 Q153.7 Q153.8 Q154.4
Net-(Q155A-S): Q155.1 Q155.3
Net-(Q156B-G): C118.1 Q155.7 Q155.8 Q156.4
Net-(Q157A-S): Q157.1 Q157.3
Net-(Q158B-G): C119.1 Q157.7 Q157.8 Q158.4
Net-(Q159A-S): Q159.1 Q159.3
Net-(Q160B-G): C120.1 Q159.7 Q159.8 Q160.4
Net-(Q161A-S): Q161.1 Q161.3
Net-(Q162B-G): C121.1 Q161.7 Q161.8 Q162.4
Net-(Q163A-S): Q163.1 Q163.3
Net-(Q164B-G): C122.1 Q163.7 Q163.8 Q164.4
Net-(Q165A-S): Q165.1 Q165.3
Net-(Q166B-G): C123.1 Q165.7 Q165.8 Q166.4
Net-(Q167A-S): Q167.1 Q167.3
Net-(Q168B-G): C124.1 Q167.7 Q167.8 Q168.4
Net-(Q169A-S): Q169.1 Q169.3
Net-(Q170B-G): C125.1 Q169.7 Q169.8 Q170.4
Net-(Q171A-S): Q171.1 Q171.3
Net-(Q172B-G): C126.1 Q171.7 Q171.8 Q172.4
Net-(Q173A-S): Q173.1 Q173.3
Net-(Q174B-G): C127.1 Q173.7 Q173.8 Q174.4
Net-(Q175A-S): Q175.1 Q175.3
Net-(Q176B-G): C128.1 Q175.7 Q175.8 Q176.4
Net-(Q177A-S): Q177.1 Q177.3
Net-(Q178B-G): C129.1 Q177.7 Q177.8 Q178.4
Net-(Q179A-S): Q179.1 Q179.3
Net-(Q180B-G): C130.1 Q179.7 Q179.8 Q180.4
Net-(Q181A-S): Q181.1 Q181.3
Net-(Q182B-G): C131.1 Q181.7 Q181.8 Q182.4
Net-(Q183A-S): Q183.1 Q183.3
Net-(Q184B-G): C132.1 Q183.7 Q183.8 Q184.4
Net-(Q185A-S): Q185.1 Q185.3
Net-(Q186B-G): C133.1 Q185.7 Q185.8 Q186.4
Net-(Q187A-S): Q187.1 Q187.3
Net-(Q188B-G): C134.1 Q187.7 Q187.8 Q188.4
Net-(Q189A-S): Q189.1 Q189.3
Net-(Q190B-G): C135.1 Q189.7 Q189.8 Q190.4
Net-(Q191A-S): Q191.1 Q191.3
Net-(Q192B-G): C136.1 Q191.7 Q191.8 Q192.4
Net-(Q193A-S): Q193.1 Q193.3
Net-(Q194B-G): C137.1 Q193.7 Q193.8 Q194.4
Net-(Q195A-S): Q195.1 Q195.3
Net-(Q196B-G): C138.1 Q195.7 Q195.8 Q196.4
Net-(Q197A-S): Q197.1 Q197.3
Net-(Q198B-G): C139.1 Q197.7 Q197.8 Q198.4
Net-(Q199A-S): Q199.1 Q199.3
Net-(Q200B-G): C140.1 Q199.7 Q199.8 Q200.4
Net-(Q201A-S): Q201.1 Q201.3
Net-(Q202B-G): C141.1 Q201.7 Q201.8 Q202.4
Net-(Q203A-S): Q203.1 Q203.3
Net-(Q204B-G): C142.1 Q203.7 Q203.8 Q204.4
Net-(Q205A-S): Q205.1 Q205.3
Net-(Q206B-G): C143.1 Q205.7 Q205.8 Q206.4
Net-(Q207A-S): Q207.1 Q207.3
Net-(Q208B-G): C144.1 Q207.7 Q207.8 Q208.4
Net-(Q209A-S): Q209.1 Q209.3
Net-(Q210B-G): C145.1 Q209.7 Q209.8 Q210.4
Net-(Q211A-S): Q211.1 Q211.3
Net-(Q212B-G): C146.1 Q211.7 Q211.8 Q212.4
Net-(Q213A-S): Q213.1 Q213.3
Net-(Q214B-G): C147.1 Q213.7 Q213.8 Q214.4
Net-(Q215A-S): Q215.1 Q215.3
Net-(Q216B-G): C148.1 Q215.7 Q215.8 Q216.4
Net-(Q217A-S): Q217.1 Q217.3
Net-(Q218B-G): C149.1 Q217.7 Q217.8 Q218.4
Net-(Q219A-S): Q219.1 Q219.3
Net-(Q220B-G): C150.1 Q219.7 Q219.8 Q220.4
Net-(Q221A-S): Q221.1 Q221.3
Net-(Q222B-G): C151.1 Q221.7 Q221.8 Q222.4
Net-(Q223A-S): Q223.1 Q223.3
Net-(Q224B-G): C152.1 Q223.7 Q223.8 Q224.4
Net-(Q225A-S): Q225.1 Q225.3
Net-(Q226B-G): C153.1 Q225.7 Q225.8 Q226.4
Net-(Q227A-S): Q227.1 Q227.3
Net-(Q228B-G): C154.1 Q227.7 Q227.8 Q228.4
Net-(Q229A-S): Q229.1 Q229.3
Net-(Q230B-G): C155.1 Q229.7 Q229.8 Q230.4
Net-(Q231A-S): Q231.1 Q231.3
Net-(Q232B-G): C156.1 Q231.7 Q231.8 Q232.4
Net-(Q233A-S): Q233.1 Q233.3
Net-(Q234B-G): C161.1 Q233.7 Q233.8 Q234.4
Net-(Q235A-S): Q235.1 Q235.3
Net-(Q236B-G): C162.1 Q235.7 Q235.8 Q236.4
Net-(Q237A-S): Q237.1 Q237.3
Net-(Q238B-G): C163.1 Q237.7 Q237.8 Q238.4
Net-(Q239A-S): Q239.1 Q239.3
Net-(Q240B-G): C164.1 Q239.7 Q239.8 Q240.4
Net-(Q241A-S): Q241.1 Q241.3
Net-(Q242B-G): C165.1 Q241.7 Q241.8 Q242.4
Net-(Q243A-S): Q243.1 Q243.3
Net-(Q244B-G): C166.1 Q243.7 Q243.8 Q244.4
Net-(Q245A-S): Q245.1 Q245.3
Net-(Q246B-G): C167.1 Q245.7 Q245.8 Q246.4
Net-(Q247A-S): Q247.1 Q247.3
Net-(Q248B-G): C168.1 Q247.7 Q247.8 Q248.4
Net-(Q249A-S): Q249.1 Q249.3
Net-(Q250B-G): C169.1 Q249.7 Q249.8 Q250.4
Net-(Q251A-S): Q251.1 Q251.3
Net-(Q252B-G): C170.1 Q251.7 Q251.8 Q252.4
Net-(Q253A-S): Q253.1 Q253.3
Net-(Q254B-G): C171.1 Q253.7 Q253.8 Q254.4
Net-(Q255A-S): Q255.1 Q255.3
Net-(Q256B-G): C172.1 Q255.7 Q255.8 Q256.4
Net-(Q257A-S): Q257.1 Q257.3
Net-(Q258B-G): C173.1 Q257.7 Q257.8 Q258.4
Net-(Q259A-S): Q259.1 Q259.3
Net-(Q260B-G): C174.1 Q259.7 Q259.8 Q260.4
Net-(Q261A-S): Q261.1 Q261.3
Net-(Q262B-G): C175.1 Q261.7 Q261.8 Q262.4
Net-(Q263A-S): Q263.1 Q263.3
Net-(Q264B-G): C176.1 Q263.7 Q263.8 Q264.4
Net-(Q265A-S): Q265.1 Q265.3
Net-(Q266B-G): C177.1 Q265.7 Q265.8 Q266.4
Net-(Q267A-S): Q267.1 Q267.3
Net-(Q268B-G): C178.1 Q267.7 Q267.8 Q268.4
Net-(Q269A-S): Q269.1 Q269.3
Net-(Q270B-G): C179.1 Q269.7 Q269.8 Q270.4
Net-(Q271A-S): Q271.1 Q271.3
Net-(Q272B-G): C180.1 Q271.7 Q271.8 Q272.4
Net-(Q273A-S): Q273.1 Q273.3
Net-(Q274B-G): C181.1 Q273.7 Q273.8 Q274.4
Net-(Q275A-S): Q275.1 Q275.3
Net-(Q276B-G): C182.1 Q275.7 Q275.8 Q276.4
Net-(Q277A-S): Q277.1 Q277.3
Net-(Q278B-G): C183.1 Q277.7 Q277.8 Q278.4
Net-(Q279A-S): Q279.1 Q279.3
Net-(Q280B-G): C184.1 Q279.7 Q279.8 Q280.4
Net-(Q281A-S): Q281.1 Q281.3
Net-(Q282B-G): C185.1 Q281.7 Q281.8 Q282.4
Net-(Q283A-S): Q283.1 Q283.3
Net-(Q284B-G): C186.1 Q283.7 Q283.8 Q284.4
Net-(Q285A-S): Q285.1 Q285.3
Net-(Q286B-G): C187.1 Q285.7 Q285.8 Q286.4
Net-(Q287A-S): Q287.1 Q287.3
Net-(Q288B-G): C188.1 Q287.7 Q287.8 Q288.4
Net-(R15-Pad1): R15.1 R16.1
Net-(R15-Pad2): R15.2 U9.2
Net-(R16-Pad2): R16.2 U9.3
Net-(R17-Pad1): R17.1 U8.1
Net-(R18-Pad1): R18.1 R19.1
Net-(R18-Pad2): R18.2 U11.2
Net-(R19-Pad2): R19.2 U11.3
Net-(R20-Pad1): R20.1 U10.1
Net-(R21-Pad1): R21.1 R22.1
Net-(R21-Pad2): R21.2 U13.2
Net-(R22-Pad2): R22.2 U13.3
Net-(R23-Pad1): R23.1 U12.1
Net-(R24-Pad1): R24.1 R25.1
Net-(R24-Pad2): R24.2 U15.2
Net-(R25-Pad2): R25.2 U15.3
Net-(R26-Pad1): R26.1 U14.1
Net-(R27-Pad1): R27.1 R28.1
Net-(R27-Pad2): R27.2 U17.2
Net-(R28-Pad2): R28.2 U17.3
Net-(R29-Pad1): R29.1 U16.1
Net-(R30-Pad1): R30.1 R31.1
Net-(R30-Pad2): R30.2 U19.2
Net-(R31-Pad2): R31.2 U19.3
Net-(R32-Pad1): R32.1 U18.1
Net-(R33-Pad1): R33.1 R34.1